# Altium PCB nRF52840-kit.PcbDoc (part 5 of 5)
Units mm, origin at the board's own origin, x right, y up, seen from the top; angles counter-clockwise.
Board outline 48 x 29.82 mm, 4 copper layers (Top Layer, Mid-Layer 1, Mid-Layer 2, Bottom Layer), stack 1.505 mm thick; 383 components, 85 nets, 1399 pads, 1434 vias.
Unrouted connection lines stored in the file: 8.
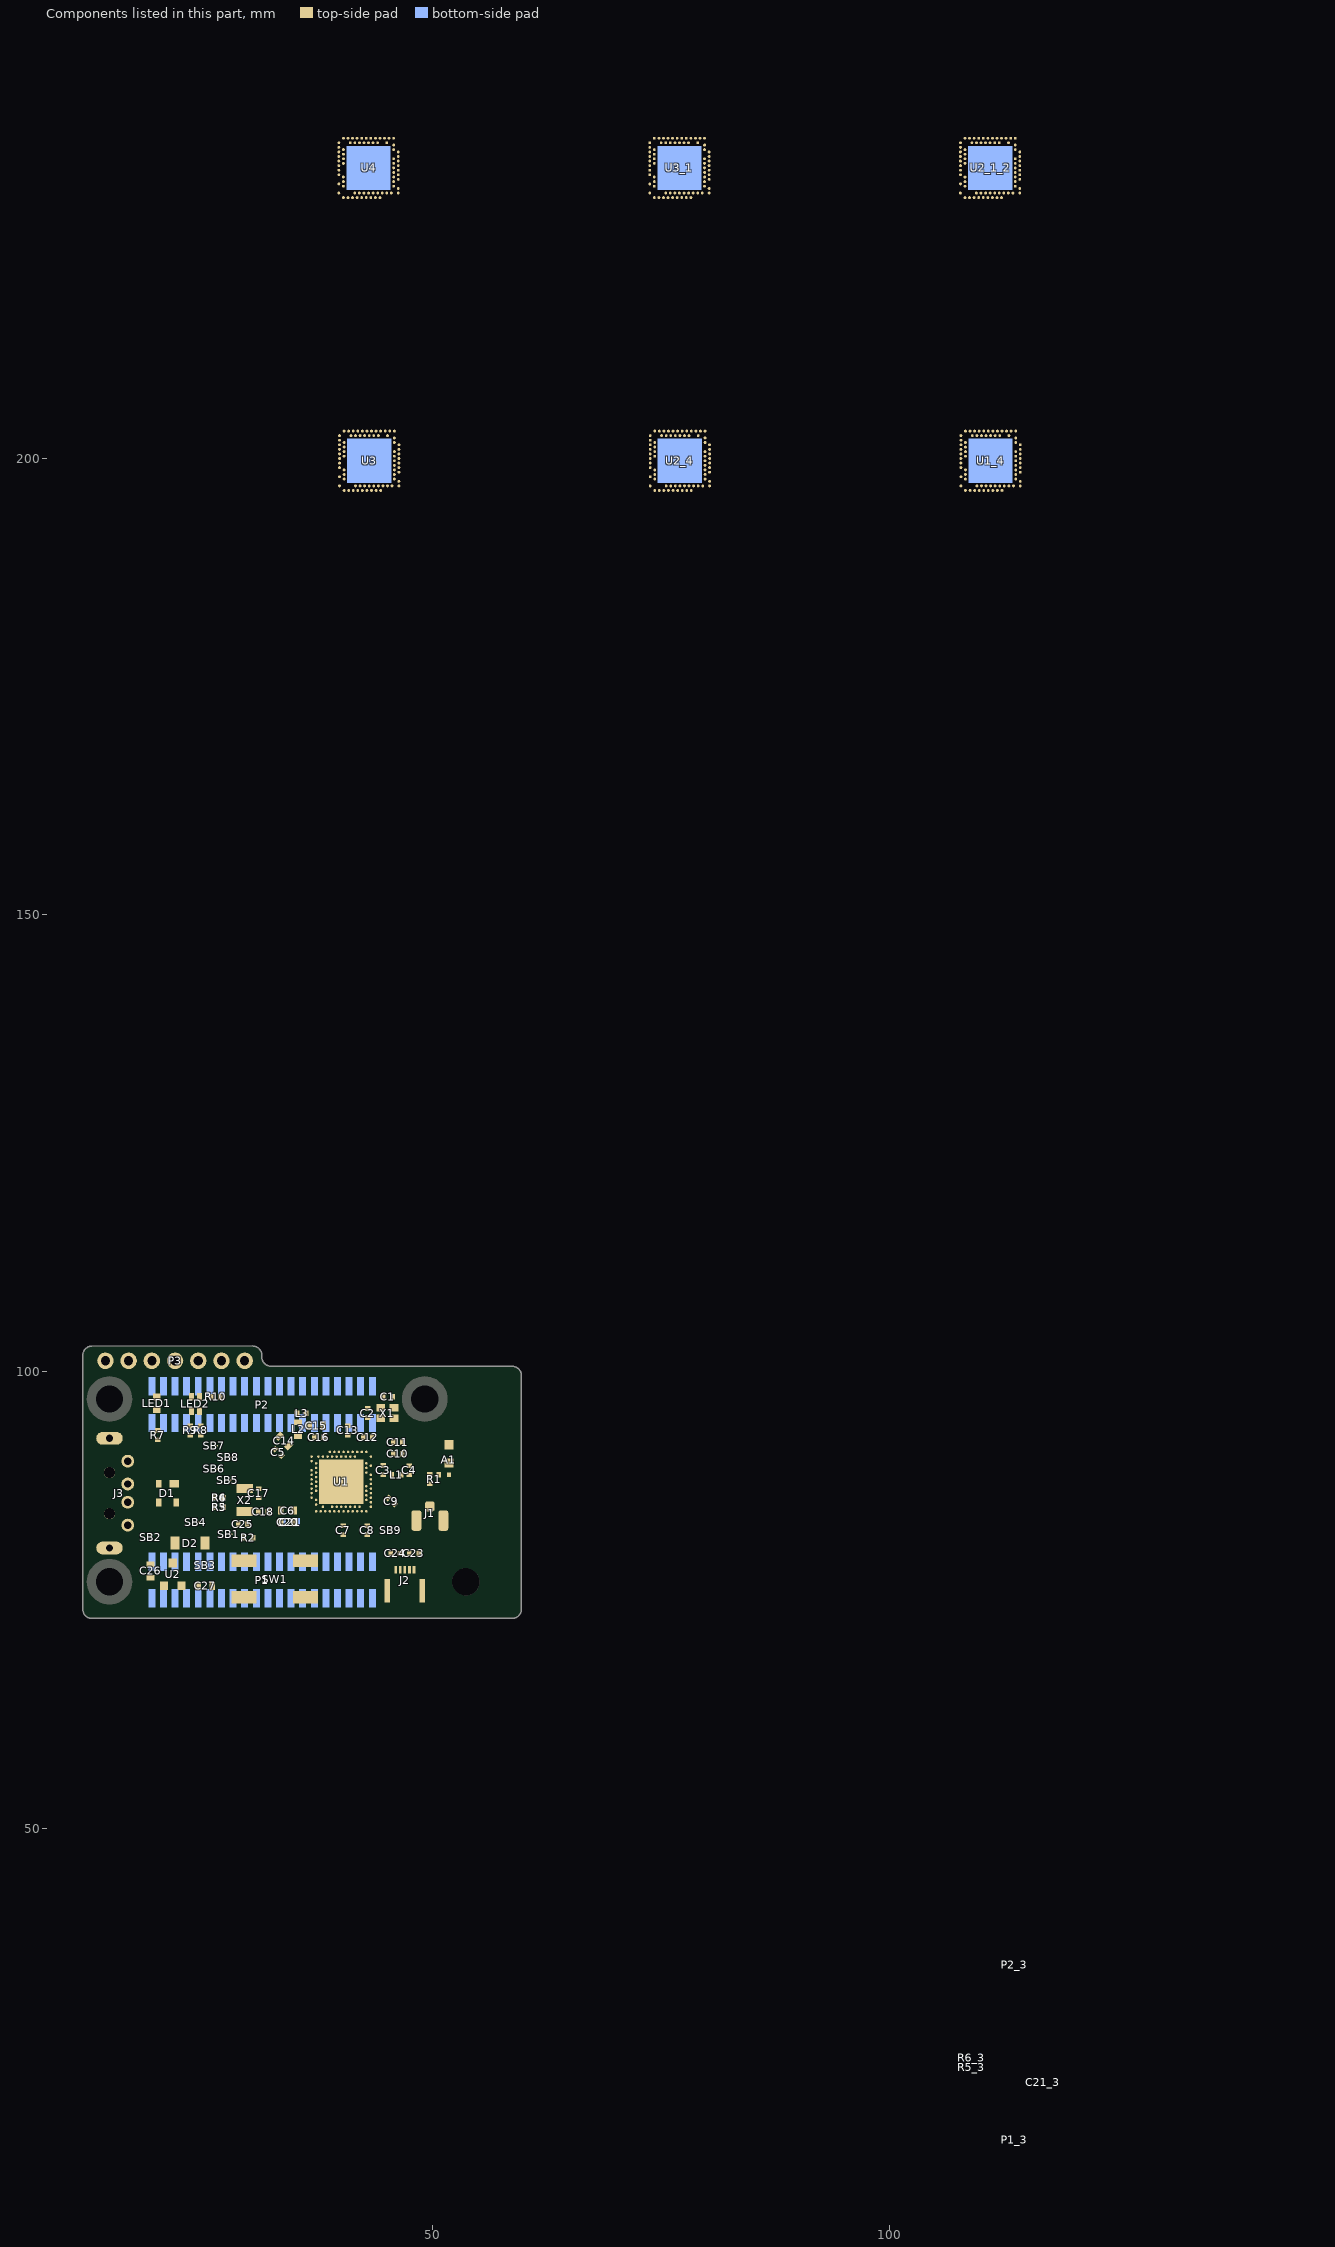
[diagram p7: the components of this part, seen from the top]

## Other copper
Top Layer:
  rectangle: 41.915,151.276 42.315,151.676
  rectangle: 41.415,151.276 41.815,151.676
  rectangle: 40.915,151.276 41.315,151.676
  rectangle: 40.415,151.276 40.815,151.676
  rectangle: 39.915,151.276 40.315,151.676
  rectangle: 39.415,151.276 39.815,151.676
  rectangle: 43.165,148.026 43.565,148.426
  rectangle: 43.165,147.526 43.565,147.926
  rectangle: 43.166,147.026 43.566,147.426
  rectangle: 42.415,145.776 42.815,146.176
  rectangle: 41.915,145.776 42.315,146.176
  rectangle: 41.415,145.776 41.815,146.176
  rectangle: 40.915,145.776 41.315,146.176
  rectangle: 40.415,145.776 40.815,146.176
  rectangle: 39.915,145.776 40.315,146.176
  rectangle: 39.415,145.776 39.815,146.176
  rectangle: 37.665,147.526 38.065,147.926
  rectangle: 37.665,148.026 38.065,148.426
  rectangle: 37.665,148.526 38.065,148.926
  rectangle: 37.665,149.026 38.065,149.426
  rectangle: 37.665,149.526 38.065,149.926
  rectangle: 20.397,143.155 21.794,144.552
  rectangle: 19.508,138.964 21.54,140.996
  rectangle: 22.048,134.951 24.08,137.034
  rectangle: 123.112,151.19 123.512,151.59
  rectangle: 122.612,151.19 123.012,151.59
  rectangle: 122.112,151.19 122.512,151.59
  rectangle: 121.612,151.19 122.012,151.59
  rectangle: 121.112,151.19 121.512,151.59
  rectangle: 120.612,151.19 121.012,151.59
  rectangle: 124.362,147.94 124.762,148.34
  rectangle: 124.362,147.44 124.762,147.84
  rectangle: 124.363,146.94 124.763,147.34
  rectangle: 123.612,145.69 124.012,146.09
  rectangle: 123.112,145.69 123.512,146.09
  rectangle: 122.612,145.69 123.012,146.09
  rectangle: 122.112,145.69 122.512,146.09
  rectangle: 121.612,145.69 122.012,146.09
  rectangle: 121.112,145.69 121.512,146.09
  rectangle: 120.612,145.69 121.012,146.09
  rectangle: 118.862,147.44 119.262,147.84
  rectangle: 118.862,147.94 119.262,148.34
  rectangle: 118.862,148.44 119.262,148.84
  rectangle: 118.862,148.94 119.262,149.34
  rectangle: 118.862,149.44 119.262,149.84
  rectangle: 101.594,143.069 102.991,144.466
  rectangle: 100.705,138.878 102.737,140.91
  rectangle: 103.245,134.865 105.277,136.948
  rectangle net 3V3: 21.394,74.203 23.426,76.286
  rectangle net V5V: 18.854,78.216 20.886,80.248
  rectangle net VDD_nRF: 19.743,82.407 21.14,83.804
  rectangle net P0.27: 37.011,88.778 37.411,89.178
  rectangle net P0.05/AIN3: 37.011,88.278 37.411,88.678
  rectangle net P0.07: 37.011,87.778 37.411,88.178
  rectangle net P1.08: 37.011,87.278 37.411,87.678
  rectangle net P0.11: 37.011,86.778 37.411,87.178
  rectangle net P0.14: 38.761,85.028 39.161,85.428
  rectangle net P0.16: 39.261,85.028 39.661,85.428
  rectangle net P0.18/RST: 39.761,85.028 40.161,85.428
  rectangle net P0.19: 40.261,85.028 40.661,85.428
  rectangle net P0.21: 40.761,85.028 41.161,85.428
  rectangle net P0.23: 41.261,85.028 41.661,85.428
  rectangle net P0.25: 41.761,85.028 42.161,85.428
  rectangle net P1.03: 42.512,86.278 42.912,86.678
  rectangle net P1.05: 42.511,86.778 42.911,87.178
  rectangle net P1.07: 42.511,87.278 42.911,87.678
  rectangle net P0.30/AIN6: 38.761,90.528 39.161,90.928
  rectangle net P0.28/AIN4: 39.261,90.528 39.661,90.928
  rectangle net P0.03/AIN1: 39.761,90.528 40.161,90.928
  rectangle net P1.14: 40.261,90.528 40.661,90.928
  rectangle net P1.12: 40.761,90.528 41.161,90.928
  rectangle net P1.11: 41.261,90.528 41.661,90.928
  rectangle: 103.67,74.29 105.702,76.373
  rectangle: 101.13,78.303 103.162,80.335
  rectangle: 102.019,82.494 103.416,83.891
  rectangle: 119.287,88.865 119.687,89.265
  rectangle: 119.287,88.365 119.687,88.765
  rectangle: 119.287,87.865 119.687,88.265
  rectangle: 119.287,87.365 119.687,87.765
  rectangle: 119.287,86.865 119.687,87.265
  rectangle: 121.037,85.115 121.437,85.515
  rectangle: 121.537,85.115 121.937,85.515
  rectangle: 122.037,85.115 122.437,85.515
  rectangle: 122.537,85.115 122.937,85.515
  rectangle: 123.037,85.115 123.437,85.515
  rectangle: 123.537,85.115 123.937,85.515
  rectangle: 124.037,85.115 124.437,85.515
  rectangle: 124.788,86.365 125.188,86.765
  rectangle: 124.787,86.865 125.187,87.265
  rectangle: 124.787,87.365 125.187,87.765
  rectangle: 121.037,90.615 121.437,91.015
  rectangle: 121.537,90.615 121.937,91.015
  rectangle: 122.037,90.615 122.437,91.015
  rectangle: 122.537,90.615 122.937,91.015
  rectangle: 123.037,90.615 123.437,91.015
  rectangle: 123.537,90.615 123.937,91.015
  rectangle: 21.373,13.151 23.405,15.234
  rectangle: 18.833,17.164 20.865,19.196
  rectangle: 19.722,21.355 21.119,22.752
  rectangle: 36.99,27.726 37.39,28.126
  rectangle: 36.99,27.226 37.39,27.626
  rectangle: 36.99,26.726 37.39,27.126
  rectangle: 36.99,26.226 37.39,26.626
  rectangle: 36.99,25.726 37.39,26.126
  rectangle: 38.74,23.976 39.14,24.376
  rectangle: 39.24,23.976 39.64,24.376
  rectangle: 39.74,23.976 40.14,24.376
  rectangle: 40.24,23.976 40.64,24.376
  rectangle: 40.74,23.976 41.14,24.376
  rectangle: 41.24,23.976 41.64,24.376
  rectangle: 41.74,23.976 42.14,24.376
  rectangle: 42.491,25.226 42.891,25.626
  rectangle: 42.49,25.726 42.89,26.126
  rectangle: 42.49,26.226 42.89,26.626
  rectangle: 38.74,29.476 39.14,29.876
  rectangle: 39.24,29.476 39.64,29.876
  rectangle: 39.74,29.476 40.14,29.876
  rectangle: 40.24,29.476 40.64,29.876
  rectangle: 40.74,29.476 41.14,29.876
  rectangle: 41.24,29.476 41.64,29.876
  rectangle: 103.708,12.926 105.74,15.009
  rectangle: 101.168,16.939 103.2,18.971
  rectangle: 102.057,21.13 103.454,22.527
  rectangle: 119.325,27.501 119.725,27.901
  rectangle: 119.325,27.001 119.725,27.401
  rectangle: 119.325,26.501 119.725,26.901
  rectangle: 119.325,26.001 119.725,26.401
  rectangle: 119.325,25.501 119.725,25.901
  rectangle: 121.075,23.751 121.475,24.151
  rectangle: 121.575,23.751 121.975,24.151
  rectangle: 122.075,23.751 122.475,24.151
  rectangle: 122.575,23.751 122.975,24.151
  rectangle: 123.075,23.751 123.475,24.151
  rectangle: 123.575,23.751 123.975,24.151
  rectangle: 124.075,23.751 124.475,24.151
  rectangle: 124.826,25.001 125.226,25.401
  rectangle: 124.825,25.501 125.225,25.901
  rectangle: 124.825,26.001 125.225,26.401
  rectangle: 121.075,29.251 121.475,29.651
  rectangle: 121.575,29.251 121.975,29.651
  rectangle: 122.075,29.251 122.475,29.651
  rectangle: 122.575,29.251 122.975,29.651
  rectangle: 123.075,29.251 123.475,29.651
  rectangle: 123.575,29.251 123.975,29.651
  pour cut-out: 50.311,150.032 52.573,150.032 52.573,148.944 50.312,148.944
  pour cut-out: 29.125,140.895 27.996,140.895 27.996,139.828 29.125,139.828
  pour cut-out: 31.586,144.992 31.586,145.322 32.297,145.322 32.297,144.992
  pour cut-out: 41.06,143.773 41.06,143.138 41.518,143.138 41.518,143.773
  pour cut-out: 41.225,154.212 42.826,154.212 42.826,153.701 42.69,153.566 41.313,153.566 41.225,153.653
  pour cut-out: 37.922,154.001 38.285,154.364 39.003,154.364
  pour cut-out: 33.632,152.011 35.761,154.14 36.44,154.14 36.69,154.39 36.692,152.515
  pour cut-out: 33.104,152.123 34.147,151.079 33.582,150.514 32.539,151.558
  pour cut-out: 46.229,157.743 46.233,157.739 46.233,157.443 45.379,157.443 45.379,157.743
  pour cut-out: 52.394,163.763 62.394,163.763 62.394,132.763 52.394,132.763
  pour cut-out: 46.731,148.496 46.731,150.996 42.731,150.996 42.731,148.496
  region: 51.761,149.869 52.394,149.717 52.394,149.259 51.761,149.107
  pour cut-out: 45.607,142.833 46.471,142.833 46.715,143.077 46.715,143.823 45.353,143.823 45.353,143.087
  pour cut-out: 131.508,149.946 133.77,149.946 133.77,148.858 131.509,148.858
  pour cut-out: 110.322,140.809 109.193,140.809 109.193,139.742 110.322,139.742
  pour cut-out: 112.783,144.906 112.783,145.236 113.494,145.236 113.494,144.906
  pour cut-out: 122.257,143.687 122.257,143.052 122.715,143.052 122.715,143.687
  pour cut-out: 122.422,154.126 124.023,154.126 124.023,153.615 123.887,153.48 122.51,153.48 122.422,153.567
  pour cut-out: 119.119,153.915 119.482,154.278 120.2,154.278
  pour cut-out: 114.829,151.925 116.958,154.054 117.637,154.054 117.887,154.304 117.889,152.429
  pour cut-out: 114.301,152.037 115.344,150.993 114.779,150.428 113.736,151.472
  pour cut-out: 127.426,157.657 127.43,157.653 127.43,157.357 126.576,157.357 126.576,157.657
  pour cut-out: 133.591,163.677 143.591,163.677 143.591,132.677 133.591,132.677
  pour cut-out: 127.928,148.41 127.928,150.91 123.928,150.91 123.928,148.41
  region: 132.958,149.783 133.591,149.631 133.591,149.173 132.958,149.021
  pour cut-out: 126.804,142.747 127.668,142.747 127.912,142.991 127.912,143.737 126.55,143.737 126.55,143.001
  pour cut-out: 44.953,82.085 45.817,82.085 46.061,82.329 46.061,83.075 44.699,83.075 44.699,82.339
  region net ANT: 51.107,89.121 51.74,88.969 51.74,88.511 51.107,88.359
  pour cut-out: 46.077,87.748 46.077,90.248 42.077,90.248 42.077,87.748
  pour cut-out: 51.74,103.015 61.74,103.015 61.74,72.015 51.74,72.015
  pour cut-out: 45.575,96.995 45.579,96.991 45.579,96.695 44.725,96.695 44.725,96.995
  pour cut-out: 32.45,91.375 33.493,90.331 32.928,89.766 31.885,90.81
  pour cut-out: 32.978,91.263 35.107,93.392 35.786,93.392 36.036,93.642 36.038,91.767
  pour cut-out: 37.268,93.253 37.631,93.616 38.349,93.616
  pour cut-out: 40.571,93.464 42.172,93.464 42.172,92.953 42.036,92.818 40.659,92.818 40.571,92.905
  pour cut-out: 40.406,83.025 40.406,82.39 40.864,82.39 40.864,83.025
  pour cut-out: 30.932,84.244 30.932,84.574 31.643,84.574 31.643,84.244
  pour cut-out: 28.471,80.147 27.342,80.147 27.342,79.08 28.471,79.08
  pour cut-out: 49.657,89.284 51.919,89.284 51.919,88.196 49.658,88.196
  pour cut-out: 127.229,82.172 128.093,82.172 128.337,82.416 128.337,83.162 126.975,83.162 126.975,82.426
  region: 133.383,89.208 134.016,89.056 134.016,88.598 133.383,88.446
  pour cut-out: 128.353,87.835 128.353,90.335 124.353,90.335 124.353,87.835
  pour cut-out: 134.016,103.102 144.016,103.102 144.016,72.102 134.016,72.102
  pour cut-out: 127.851,97.082 127.855,97.078 127.855,96.782 127.001,96.782 127.001,97.082
  pour cut-out: 114.726,91.462 115.769,90.418 115.204,89.853 114.161,90.897
  pour cut-out: 115.254,91.35 117.383,93.479 118.062,93.479 118.312,93.729 118.314,91.854
  pour cut-out: 119.544,93.34 119.907,93.703 120.625,93.703
  pour cut-out: 122.847,93.551 124.448,93.551 124.448,93.04 124.312,92.905 122.935,92.905 122.847,92.992
  pour cut-out: 122.682,83.112 122.682,82.477 123.14,82.477 123.14,83.112
  pour cut-out: 113.208,84.331 113.208,84.661 113.919,84.661 113.919,84.331
  pour cut-out: 110.747,80.234 109.618,80.234 109.618,79.167 110.747,79.167
  pour cut-out: 131.933,89.371 134.195,89.371 134.195,88.283 131.934,88.283
  pour cut-out: 44.932,21.033 45.796,21.033 46.04,21.277 46.04,22.023 44.678,22.023 44.678,21.287
  region: 51.086,28.069 51.719,27.917 51.719,27.459 51.086,27.307
  pour cut-out: 46.056,26.696 46.056,29.196 42.056,29.196 42.056,26.696
  pour cut-out: 51.719,41.963 61.719,41.963 61.719,10.963 51.719,10.963
  pour cut-out: 45.554,35.943 45.558,35.939 45.558,35.643 44.704,35.643 44.704,35.943
  pour cut-out: 32.429,30.323 33.472,29.279 32.907,28.714 31.864,29.758
  pour cut-out: 32.957,30.211 35.086,32.34 35.765,32.34 36.015,32.59 36.017,30.715
  pour cut-out: 37.247,32.201 37.61,32.564 38.328,32.564
  pour cut-out: 40.55,32.412 42.151,32.412 42.151,31.901 42.015,31.766 40.638,31.766 40.55,31.853
  pour cut-out: 40.385,21.973 40.385,21.338 40.843,21.338 40.843,21.973
  pour cut-out: 30.911,23.192 30.911,23.522 31.622,23.522 31.622,23.192
  pour cut-out: 28.45,19.095 27.321,19.095 27.321,18.028 28.45,18.028
  pour cut-out: 49.636,28.232 51.898,28.232 51.898,27.144 49.637,27.144
  pour cut-out: 127.267,20.808 128.131,20.808 128.375,21.052 128.375,21.798 127.013,21.798 127.013,21.062
  region: 133.421,27.844 134.054,27.692 134.054,27.234 133.421,27.082
  pour cut-out: 128.391,26.471 128.391,28.971 124.391,28.971 124.391,26.471
  pour cut-out: 134.054,41.738 144.054,41.738 144.054,10.738 134.054,10.738
  pour cut-out: 127.889,35.718 127.893,35.714 127.893,35.418 127.039,35.418 127.039,35.718
  pour cut-out: 114.764,30.098 115.807,29.054 115.242,28.489 114.199,29.533
  pour cut-out: 115.292,29.986 117.421,32.115 118.1,32.115 118.35,32.365 118.352,30.49
  pour cut-out: 119.582,31.976 119.945,32.339 120.663,32.339
  pour cut-out: 122.885,32.187 124.486,32.187 124.486,31.676 124.35,31.541 122.973,31.541 122.885,31.628
  pour cut-out: 122.72,21.748 122.72,21.113 123.178,21.113 123.178,21.748
  pour cut-out: 113.246,22.967 113.246,23.297 113.957,23.297 113.957,22.967
  pour cut-out: 110.785,18.87 109.656,18.87 109.656,17.803 110.785,17.803
  pour cut-out: 131.971,28.007 134.233,28.007 134.233,26.919 131.972,26.919
Mid-Layer 1:
  rectangle: 39.415,151.276 39.815,151.676
  rectangle: 39.915,151.276 40.315,151.676
  rectangle: 40.415,151.276 40.815,151.676
  rectangle: 40.915,151.276 41.315,151.676
  rectangle: 41.415,151.276 41.815,151.676
  rectangle: 41.915,151.276 42.315,151.676
  rectangle: 43.165,148.026 43.565,148.426
  rectangle: 43.165,147.526 43.565,147.926
  rectangle: 43.166,147.026 43.566,147.426
  rectangle: 42.415,145.776 42.815,146.176
  rectangle: 41.915,145.776 42.315,146.176
  rectangle: 41.415,145.776 41.815,146.176
  rectangle: 40.915,145.776 41.315,146.176
  rectangle: 40.415,145.776 40.815,146.176
  rectangle: 39.915,145.776 40.315,146.176
  rectangle: 39.415,145.776 39.815,146.176
  rectangle: 37.665,147.526 38.065,147.926
  rectangle: 37.665,148.026 38.065,148.426
  rectangle: 37.665,148.526 38.065,148.926
  rectangle: 37.665,149.026 38.065,149.426
  rectangle: 37.665,149.526 38.065,149.926
  rectangle: 120.612,151.19 121.012,151.59
  rectangle: 121.112,151.19 121.512,151.59
  rectangle: 121.612,151.19 122.012,151.59
  rectangle: 122.112,151.19 122.512,151.59
  rectangle: 122.612,151.19 123.012,151.59
  rectangle: 123.112,151.19 123.512,151.59
  rectangle: 124.362,147.94 124.762,148.34
  rectangle: 124.362,147.44 124.762,147.84
  rectangle: 124.363,146.94 124.763,147.34
  rectangle: 123.612,145.69 124.012,146.09
  rectangle: 123.112,145.69 123.512,146.09
  rectangle: 122.612,145.69 123.012,146.09
  rectangle: 122.112,145.69 122.512,146.09
  rectangle: 121.612,145.69 122.012,146.09
  rectangle: 121.112,145.69 121.512,146.09
  rectangle: 120.612,145.69 121.012,146.09
  rectangle: 118.862,147.44 119.262,147.84
  rectangle: 118.862,147.94 119.262,148.34
  rectangle: 118.862,148.44 119.262,148.84
  rectangle: 118.862,148.94 119.262,149.34
  rectangle: 118.862,149.44 119.262,149.84
  rectangle net P0.27: 37.011,88.778 37.411,89.178
  rectangle net P0.05/AIN3: 37.011,88.278 37.411,88.678
  rectangle net P0.07: 37.011,87.778 37.411,88.178
  rectangle net P1.08: 37.011,87.278 37.411,87.678
  rectangle net P0.11: 37.011,86.778 37.411,87.178
  rectangle net P0.14: 38.761,85.028 39.161,85.428
  rectangle net P0.16: 39.261,85.028 39.661,85.428
  rectangle net P0.18/RST: 39.761,85.028 40.161,85.428
  rectangle net P0.19: 40.261,85.028 40.661,85.428
  rectangle net P0.21: 40.761,85.028 41.161,85.428
  rectangle net P0.23: 41.261,85.028 41.661,85.428
  rectangle net P0.25: 41.761,85.028 42.161,85.428
  rectangle net P1.03: 42.512,86.278 42.912,86.678
  rectangle net P1.05: 42.511,86.778 42.911,87.178
  rectangle net P1.07: 42.511,87.278 42.911,87.678
  rectangle net P1.11: 41.261,90.528 41.661,90.928
  rectangle net P1.12: 40.761,90.528 41.161,90.928
  rectangle net P1.14: 40.261,90.528 40.661,90.928
  rectangle net P0.03/AIN1: 39.761,90.528 40.161,90.928
  rectangle net P0.28/AIN4: 39.261,90.528 39.661,90.928
  rectangle net P0.30/AIN6: 38.761,90.528 39.161,90.928
  rectangle: 119.287,88.865 119.687,89.265
  rectangle: 119.287,88.365 119.687,88.765
  rectangle: 119.287,87.865 119.687,88.265
  rectangle: 119.287,87.365 119.687,87.765
  rectangle: 119.287,86.865 119.687,87.265
  rectangle: 121.037,85.115 121.437,85.515
  rectangle: 121.537,85.115 121.937,85.515
  rectangle: 122.037,85.115 122.437,85.515
  rectangle: 122.537,85.115 122.937,85.515
  rectangle: 123.037,85.115 123.437,85.515
  rectangle: 123.537,85.115 123.937,85.515
  rectangle: 124.037,85.115 124.437,85.515
  rectangle: 124.788,86.365 125.188,86.765
  rectangle: 124.787,86.865 125.187,87.265
  rectangle: 124.787,87.365 125.187,87.765
  rectangle: 123.537,90.615 123.937,91.015
  rectangle: 123.037,90.615 123.437,91.015
  rectangle: 122.537,90.615 122.937,91.015
  rectangle: 122.037,90.615 122.437,91.015
  rectangle: 121.537,90.615 121.937,91.015
  rectangle: 121.037,90.615 121.437,91.015
  rectangle: 36.99,27.726 37.39,28.126
  rectangle: 36.99,27.226 37.39,27.626
  rectangle: 36.99,26.726 37.39,27.126
  rectangle: 36.99,26.226 37.39,26.626
  rectangle: 36.99,25.726 37.39,26.126
  rectangle: 38.74,23.976 39.14,24.376
  rectangle: 39.24,23.976 39.64,24.376
  rectangle: 39.74,23.976 40.14,24.376
  rectangle: 40.24,23.976 40.64,24.376
  rectangle: 40.74,23.976 41.14,24.376
  rectangle: 41.24,23.976 41.64,24.376
  rectangle: 41.74,23.976 42.14,24.376
  rectangle: 42.491,25.226 42.891,25.626
  rectangle: 42.49,25.726 42.89,26.126
  rectangle: 42.49,26.226 42.89,26.626
  rectangle: 41.24,29.476 41.64,29.876
  rectangle: 40.74,29.476 41.14,29.876
  rectangle: 40.24,29.476 40.64,29.876
  rectangle: 39.74,29.476 40.14,29.876
  rectangle: 39.24,29.476 39.64,29.876
  rectangle: 38.74,29.476 39.14,29.876
  rectangle: 119.325,27.501 119.725,27.901
  rectangle: 119.325,27.001 119.725,27.401
  rectangle: 119.325,26.501 119.725,26.901
  rectangle: 119.325,26.001 119.725,26.401
  rectangle: 119.325,25.501 119.725,25.901
  rectangle: 121.075,23.751 121.475,24.151
  rectangle: 121.575,23.751 121.975,24.151
  rectangle: 122.075,23.751 122.475,24.151
  rectangle: 122.575,23.751 122.975,24.151
  rectangle: 123.075,23.751 123.475,24.151
  rectangle: 123.575,23.751 123.975,24.151
  rectangle: 124.075,23.751 124.475,24.151
  rectangle: 124.826,25.001 125.226,25.401
  rectangle: 124.825,25.501 125.225,25.901
  rectangle: 124.825,26.001 125.225,26.401
  rectangle: 123.575,29.251 123.975,29.651
  rectangle: 123.075,29.251 123.475,29.651
  rectangle: 122.575,29.251 122.975,29.651
  rectangle: 122.075,29.251 122.475,29.651
  rectangle: 121.575,29.251 121.975,29.651
  rectangle: 121.075,29.251 121.475,29.651
  pour cut-out: 52.394,163.763 62.394,163.763 62.394,132.763 52.394,132.763
  pour cut-out: 45.231,145.855 54.231,145.855 54.231,153.145 45.231,153.145
  pour cut-out: 133.591,163.677 143.591,163.677 143.591,132.677 133.591,132.677
  pour cut-out: 126.428,145.769 135.428,145.769 135.428,153.059 126.428,153.059
  pour cut-out: 44.577,85.107 53.577,85.107 53.577,92.397 44.577,92.397
  pour cut-out: 51.74,103.015 61.74,103.015 61.74,72.015 51.74,72.015
  pour cut-out: 126.853,85.194 135.853,85.194 135.853,92.484 126.853,92.484
  pour cut-out: 134.016,103.102 144.016,103.102 144.016,72.102 134.016,72.102
  pour cut-out: 44.556,24.055 53.556,24.055 53.556,31.345 44.556,31.345
  pour cut-out: 51.719,41.963 61.719,41.963 61.719,10.963 51.719,10.963
  pour cut-out: 126.891,23.83 135.891,23.83 135.891,31.12 126.891,31.12
  pour cut-out: 134.054,41.738 144.054,41.738 144.054,10.738 134.054,10.738
Mid-Layer 2:
  rectangle: 39.415,151.276 39.815,151.676
  rectangle: 39.915,151.276 40.315,151.676
  rectangle: 40.415,151.276 40.815,151.676
  rectangle: 40.915,151.276 41.315,151.676
  rectangle: 41.415,151.276 41.815,151.676
  rectangle: 41.915,151.276 42.315,151.676
  rectangle: 43.165,148.026 43.565,148.426
  rectangle: 43.165,147.526 43.565,147.926
  rectangle: 43.166,147.026 43.566,147.426
  rectangle: 42.415,145.776 42.815,146.176
  rectangle: 41.915,145.776 42.315,146.176
  rectangle: 41.415,145.776 41.815,146.176
  rectangle: 40.915,145.776 41.315,146.176
  rectangle: 40.415,145.776 40.815,146.176
  rectangle: 39.915,145.776 40.315,146.176
  rectangle: 39.415,145.776 39.815,146.176
  rectangle: 37.665,147.526 38.065,147.926
  rectangle: 37.665,148.026 38.065,148.426
  rectangle: 37.665,148.526 38.065,148.926
  rectangle: 37.665,149.026 38.065,149.426
  rectangle: 37.665,149.526 38.065,149.926
  rectangle: 120.612,151.19 121.012,151.59
  rectangle: 121.112,151.19 121.512,151.59
  rectangle: 121.612,151.19 122.012,151.59
  rectangle: 122.112,151.19 122.512,151.59
  rectangle: 122.612,151.19 123.012,151.59
  rectangle: 123.112,151.19 123.512,151.59
  rectangle: 124.362,147.94 124.762,148.34
  rectangle: 124.362,147.44 124.762,147.84
  rectangle: 124.363,146.94 124.763,147.34
  rectangle: 123.612,145.69 124.012,146.09
  rectangle: 123.112,145.69 123.512,146.09
  rectangle: 122.612,145.69 123.012,146.09
  rectangle: 122.112,145.69 122.512,146.09
  rectangle: 121.612,145.69 122.012,146.09
  rectangle: 121.112,145.69 121.512,146.09
  rectangle: 120.612,145.69 121.012,146.09
  rectangle: 118.862,147.44 119.262,147.84
  rectangle: 118.862,147.94 119.262,148.34
  rectangle: 118.862,148.44 119.262,148.84
  rectangle: 118.862,148.94 119.262,149.34
  rectangle: 118.862,149.44 119.262,149.84
  rectangle net P0.27: 37.011,88.778 37.411,89.178
  rectangle net P0.05/AIN3: 37.011,88.278 37.411,88.678
  rectangle net P0.07: 37.011,87.778 37.411,88.178
  rectangle net P1.08: 37.011,87.278 37.411,87.678
  rectangle net P0.11: 37.011,86.778 37.411,87.178
  rectangle net P0.14: 38.761,85.028 39.161,85.428
  rectangle net P0.16: 39.261,85.028 39.661,85.428
  rectangle net P0.18/RST: 39.761,85.028 40.161,85.428
  rectangle net P0.19: 40.261,85.028 40.661,85.428
  rectangle net P0.21: 40.761,85.028 41.161,85.428
  rectangle net P0.23: 41.261,85.028 41.661,85.428
  rectangle net P0.25: 41.761,85.028 42.161,85.428
  rectangle net P1.03: 42.512,86.278 42.912,86.678
  rectangle net P1.05: 42.511,86.778 42.911,87.178
  rectangle net P1.07: 42.511,87.278 42.911,87.678
  rectangle net P1.11: 41.261,90.528 41.661,90.928
  rectangle net P1.12: 40.761,90.528 41.161,90.928
  rectangle net P1.14: 40.261,90.528 40.661,90.928
  rectangle net P0.03/AIN1: 39.761,90.528 40.161,90.928
  rectangle net P0.28/AIN4: 39.261,90.528 39.661,90.928
  rectangle net P0.30/AIN6: 38.761,90.528 39.161,90.928
  rectangle: 119.287,88.865 119.687,89.265
  rectangle: 119.287,88.365 119.687,88.765
  rectangle: 119.287,87.865 119.687,88.265
  rectangle: 119.287,87.365 119.687,87.765
  rectangle: 119.287,86.865 119.687,87.265
  rectangle: 121.037,85.115 121.437,85.515
  rectangle: 121.537,85.115 121.937,85.515
  rectangle: 122.037,85.115 122.437,85.515
  rectangle: 122.537,85.115 122.937,85.515
  rectangle: 123.037,85.115 123.437,85.515
  rectangle: 123.537,85.115 123.937,85.515
  rectangle: 124.037,85.115 124.437,85.515
  rectangle: 124.788,86.365 125.188,86.765
  rectangle: 124.787,86.865 125.187,87.265
  rectangle: 124.787,87.365 125.187,87.765
  rectangle: 123.537,90.615 123.937,91.015
  rectangle: 123.037,90.615 123.437,91.015
  rectangle: 122.537,90.615 122.937,91.015
  rectangle: 122.037,90.615 122.437,91.015
  rectangle: 121.537,90.615 121.937,91.015
  rectangle: 121.037,90.615 121.437,91.015
  rectangle: 36.99,27.726 37.39,28.126
  rectangle: 36.99,27.226 37.39,27.626
  rectangle: 36.99,26.726 37.39,27.126
  rectangle: 36.99,26.226 37.39,26.626
  rectangle: 36.99,25.726 37.39,26.126
  rectangle: 38.74,23.976 39.14,24.376
  rectangle: 39.24,23.976 39.64,24.376
  rectangle: 39.74,23.976 40.14,24.376
  rectangle: 40.24,23.976 40.64,24.376
  rectangle: 40.74,23.976 41.14,24.376
  rectangle: 41.24,23.976 41.64,24.376
  rectangle: 41.74,23.976 42.14,24.376
  rectangle: 42.491,25.226 42.891,25.626
  rectangle: 42.49,25.726 42.89,26.126
  rectangle: 42.49,26.226 42.89,26.626
  rectangle: 41.24,29.476 41.64,29.876
  rectangle: 40.74,29.476 41.14,29.876
  rectangle: 40.24,29.476 40.64,29.876
  rectangle: 39.74,29.476 40.14,29.876
  rectangle: 39.24,29.476 39.64,29.876
  rectangle: 38.74,29.476 39.14,29.876
  rectangle: 119.325,27.501 119.725,27.901
  rectangle: 119.325,27.001 119.725,27.401
  rectangle: 119.325,26.501 119.725,26.901
  rectangle: 119.325,26.001 119.725,26.401
  rectangle: 119.325,25.501 119.725,25.901
  rectangle: 121.075,23.751 121.475,24.151
  rectangle: 121.575,23.751 121.975,24.151
  rectangle: 122.075,23.751 122.475,24.151
  rectangle: 122.575,23.751 122.975,24.151
  rectangle: 123.075,23.751 123.475,24.151
  rectangle: 123.575,23.751 123.975,24.151
  rectangle: 124.075,23.751 124.475,24.151
  rectangle: 124.826,25.001 125.226,25.401
  rectangle: 124.825,25.501 125.225,25.901
  rectangle: 124.825,26.001 125.225,26.401
  rectangle: 123.575,29.251 123.975,29.651
  rectangle: 123.075,29.251 123.475,29.651
  rectangle: 122.575,29.251 122.975,29.651
  rectangle: 122.075,29.251 122.475,29.651
  rectangle: 121.575,29.251 121.975,29.651
  rectangle: 121.075,29.251 121.475,29.651
  pour cut-out: 52.394,163.763 62.394,163.763 62.394,132.763 52.394,132.763
  pour cut-out: 45.231,145.855 54.231,145.855 54.231,153.145 45.231,153.145
  pour cut-out: 133.591,163.677 143.591,163.677 143.591,132.677 133.591,132.677
  pour cut-out: 126.428,145.769 135.428,145.769 135.428,153.059 126.428,153.059
  pour cut-out: 44.577,85.107 53.577,85.107 53.577,92.397 44.577,92.397
  pour cut-out: 51.74,103.015 61.74,103.015 61.74,72.015 51.74,72.015
  pour cut-out: 126.853,85.194 135.853,85.194 135.853,92.484 126.853,92.484
  pour cut-out: 134.016,103.102 144.016,103.102 144.016,72.102 134.016,72.102
  pour cut-out: 44.556,24.055 53.556,24.055 53.556,31.345 44.556,31.345
  pour cut-out: 51.719,41.963 61.719,41.963 61.719,10.963 51.719,10.963
  pour cut-out: 126.891,23.83 135.891,23.83 135.891,31.12 126.891,31.12
  pour cut-out: 134.054,41.738 144.054,41.738 144.054,10.738 134.054,10.738
Bottom Layer:
  rectangle: 39.415,151.276 39.815,151.676
  rectangle: 39.915,151.276 40.315,151.676
  rectangle: 40.415,151.276 40.815,151.676
  rectangle: 40.915,151.276 41.315,151.676
  rectangle: 41.415,151.276 41.815,151.676
  rectangle: 41.915,151.276 42.315,151.676
  rectangle: 43.165,148.026 43.565,148.426
  rectangle: 43.165,147.526 43.565,147.926
  rectangle: 43.166,147.026 43.566,147.426
  rectangle: 42.415,145.776 42.815,146.176
  rectangle: 41.915,145.776 42.315,146.176
  rectangle: 41.415,145.776 41.815,146.176
  rectangle: 40.915,145.776 41.315,146.176
  rectangle: 40.415,145.776 40.815,146.176
  rectangle: 39.915,145.776 40.315,146.176
  rectangle: 39.415,145.776 39.815,146.176
  rectangle: 37.665,147.526 38.065,147.926
  rectangle: 37.665,148.026 38.065,148.426
  rectangle: 37.665,148.526 38.065,148.926
  rectangle: 37.665,149.026 38.065,149.426
  rectangle: 37.665,149.526 38.065,149.926
  rectangle: 18.404,158.809 18.912,160.714
  rectangle: 120.612,151.19 121.012,151.59
  rectangle: 121.112,151.19 121.512,151.59
  rectangle: 121.612,151.19 122.012,151.59
  rectangle: 122.112,151.19 122.512,151.59
  rectangle: 122.612,151.19 123.012,151.59
  rectangle: 123.112,151.19 123.512,151.59
  rectangle: 124.362,147.94 124.762,148.34
  rectangle: 124.362,147.44 124.762,147.84
  rectangle: 124.363,146.94 124.763,147.34
  rectangle: 123.612,145.69 124.012,146.09
  rectangle: 123.112,145.69 123.512,146.09
  rectangle: 122.612,145.69 123.012,146.09
  rectangle: 122.112,145.69 122.512,146.09
  rectangle: 121.612,145.69 122.012,146.09
  rectangle: 121.112,145.69 121.512,146.09
  rectangle: 120.612,145.69 121.012,146.09
  rectangle: 118.862,147.44 119.262,147.84
  rectangle: 118.862,147.94 119.262,148.34
  rectangle: 118.862,148.44 119.262,148.84
  rectangle: 118.862,148.94 119.262,149.34
  rectangle: 118.862,149.44 119.262,149.84
  rectangle: 99.601,158.723 100.109,160.628
  rectangle net VDD_nRF: 17.75,98.061 18.258,99.966
  rectangle net P0.27: 37.011,88.778 37.411,89.178
  rectangle net P0.05/AIN3: 37.011,88.278 37.411,88.678
  rectangle net P0.07: 37.011,87.778 37.411,88.178
  rectangle net P1.08: 37.011,87.278 37.411,87.678
  rectangle net P0.11: 37.011,86.778 37.411,87.178
  rectangle net P0.14: 38.761,85.028 39.161,85.428
  rectangle net P0.16: 39.261,85.028 39.661,85.428
  rectangle net P0.18/RST: 39.761,85.028 40.161,85.428
  rectangle net P0.19: 40.261,85.028 40.661,85.428
  rectangle net P0.21: 40.761,85.028 41.161,85.428
  rectangle net P0.23: 41.261,85.028 41.661,85.428
  rectangle net P0.25: 41.761,85.028 42.161,85.428
  rectangle net P1.03: 42.512,86.278 42.912,86.678
  rectangle net P1.05: 42.511,86.778 42.911,87.178
  rectangle net P1.07: 42.511,87.278 42.911,87.678
  rectangle net P1.11: 41.261,90.528 41.661,90.928
  rectangle net P1.12: 40.761,90.528 41.161,90.928
  rectangle net P1.14: 40.261,90.528 40.661,90.928
  rectangle net P0.03/AIN1: 39.761,90.528 40.161,90.928
  rectangle net P0.28/AIN4: 39.261,90.528 39.661,90.928
  rectangle net P0.30/AIN6: 38.761,90.528 39.161,90.928
  rectangle: 100.026,98.148 100.534,100.053
  rectangle: 119.287,88.865 119.687,89.265
  rectangle: 119.287,88.365 119.687,88.765
  rectangle: 119.287,87.865 119.687,88.265
  rectangle: 119.287,87.365 119.687,87.765
  rectangle: 119.287,86.865 119.687,87.265
  rectangle: 121.037,85.115 121.437,85.515
  rectangle: 121.537,85.115 121.937,85.515
  rectangle: 122.037,85.115 122.437,85.515
  rectangle: 122.537,85.115 122.937,85.515
  rectangle: 123.037,85.115 123.437,85.515
  rectangle: 123.537,85.115 123.937,85.515
  rectangle: 124.037,85.115 124.437,85.515
  rectangle: 124.788,86.365 125.188,86.765
  rectangle: 124.787,86.865 125.187,87.265
  rectangle: 124.787,87.365 125.187,87.765
  rectangle: 123.537,90.615 123.937,91.015
  rectangle: 123.037,90.615 123.437,91.015
  rectangle: 122.537,90.615 122.937,91.015
  rectangle: 122.037,90.615 122.437,91.015
  rectangle: 121.537,90.615 121.937,91.015
  rectangle: 121.037,90.615 121.437,91.015
  rectangle: 17.729,37.009 18.237,38.914
  rectangle: 36.99,27.726 37.39,28.126
  rectangle: 36.99,27.226 37.39,27.626
  rectangle: 36.99,26.726 37.39,27.126
  rectangle: 36.99,26.226 37.39,26.626
  rectangle: 36.99,25.726 37.39,26.126
  rectangle: 38.74,23.976 39.14,24.376
  rectangle: 39.24,23.976 39.64,24.376
  rectangle: 39.74,23.976 40.14,24.376
  rectangle: 40.24,23.976 40.64,24.376
  rectangle: 40.74,23.976 41.14,24.376
  rectangle: 41.24,23.976 41.64,24.376
  rectangle: 41.74,23.976 42.14,24.376
  rectangle: 42.491,25.226 42.891,25.626
  rectangle: 42.49,25.726 42.89,26.126
  rectangle: 42.49,26.226 42.89,26.626
  rectangle: 41.24,29.476 41.64,29.876
  rectangle: 40.74,29.476 41.14,29.876
  rectangle: 40.24,29.476 40.64,29.876
  rectangle: 39.74,29.476 40.14,29.876
  rectangle: 39.24,29.476 39.64,29.876
  rectangle: 38.74,29.476 39.14,29.876
  rectangle: 100.064,36.784 100.572,38.689
  rectangle: 119.325,27.501 119.725,27.901
  rectangle: 119.325,27.001 119.725,27.401
  rectangle: 119.325,26.501 119.725,26.901
  rectangle: 119.325,26.001 119.725,26.401
  rectangle: 119.325,25.501 119.725,25.901
  rectangle: 121.075,23.751 121.475,24.151
  rectangle: 121.575,23.751 121.975,24.151
  rectangle: 122.075,23.751 122.475,24.151
  rectangle: 122.575,23.751 122.975,24.151
  rectangle: 123.075,23.751 123.475,24.151
  rectangle: 123.575,23.751 123.975,24.151
  rectangle: 124.075,23.751 124.475,24.151
  rectangle: 124.826,25.001 125.226,25.401
  rectangle: 124.825,25.501 125.225,25.901
  rectangle: 124.825,26.001 125.225,26.401
  rectangle: 123.575,29.251 123.975,29.651
  rectangle: 123.075,29.251 123.475,29.651
  rectangle: 122.575,29.251 122.975,29.651
  rectangle: 122.075,29.251 122.475,29.651
  rectangle: 121.575,29.251 121.975,29.651
  rectangle: 121.075,29.251 121.475,29.651
  pour cut-out: 52.394,163.763 62.394,163.763 62.394,132.763 52.394,132.763
  pour cut-out: 133.591,163.677 143.591,163.677 143.591,132.677 133.591,132.677
  pour cut-out: 51.74,103.015 61.74,103.015 61.74,72.015 51.74,72.015
  pour cut-out: 134.016,103.102 144.016,103.102 144.016,72.102 134.016,72.102
  pour cut-out: 51.719,41.963 61.719,41.963 61.719,10.963 51.719,10.963
  pour cut-out: 134.054,41.738 144.054,41.738 144.054,10.738 134.054,10.738

## Silkscreen, mask and mechanical layers (free items; w line width, h text height)
Top Overlay:
  circle w0.254: c26.661,163.12 r0.127
  circle w0.254: c24.121,163.12 r0.127
  circle w0.254: c107.858,163.034 r0.127
  circle w0.254: c105.318,163.034 r0.127
  circle w0.254: c23.467,102.372 r0.127
  circle w0.254: c26.007,102.372 r0.127
  circle w0.254: c105.743,102.459 r0.127
  circle w0.254: c108.283,102.459 r0.127
  circle w0.254: c23.446,41.32 r0.127
  circle w0.254: c25.986,41.32 r0.127
  circle w0.254: c105.781,41.095 r0.127
  circle w0.254: c108.321,41.095 r0.127
  text "nRF52840" at 56.762,159.768 h3.3 r270
  text "nRF52840" at 137.959,159.682 h3.3 r270
  text "Customized" at 54.728,158.929 h1.78 r270
  text "Customized" at 135.925,158.843 h1.78 r270
  text "Dongle" at 54.093,149.277 h3.05 r270
  text "Dongle" at 135.29,149.191 h3.05 r270
  text "MCU USBD" at 19.549,144.07 h0.97 r90
  text "MCU USBD" at 100.746,143.984 h0.97 r90
  text "BTN1" at 44.822,141.657 h0.97
  text "BTN1" at 126.019,141.571 h0.97
  text "RESET" at 37.202,137.72 h0.97
  text "RESET" at 118.399,137.634 h0.97
  text "NFC / ANT" at 41.774,134.418 h0.97
  text "NFC / ANT" at 122.971,134.332 h0.97
  text "nRF52840" at 138.384,99.107 h3.3 r270
  text "nRF52840" at 56.108,99.02 h3.3 r270
  text "Customized" at 136.35,98.268 h1.78 r270
  text "Customized" at 54.074,98.181 h1.78 r270
  text "Dongle" at 135.715,88.616 h3.05 r270
  text "Dongle" at 53.439,88.529 h3.05 r270
  text "MCU USBD" at 101.171,83.409 h0.97 r90
  text "MCU USBD" at 18.895,83.322 h0.97 r90
  text "BTN1" at 126.444,80.996 h0.97
  text "BTN1" at 44.168,80.909 h0.97
  text "RESET" at 118.824,77.059 h0.97
  text "RESET" at 36.548,76.972 h0.97
  text "NFC / ANT" at 123.396,73.757 h0.97
  text "NFC / ANT" at 41.12,73.67 h0.97
  text "nRF52840" at 56.087,37.968 h3.3 r270
  text "nRF52840" at 138.422,37.743 h3.3 r270
  text "Customized" at 54.053,37.129 h1.78 r270
  text "Customized" at 136.388,36.904 h1.78 r270
  text "Dongle" at 53.418,27.477 h3.05 r270
  text "Dongle" at 135.753,27.252 h3.05 r270
  text "MCU USBD" at 18.874,22.27 h0.97 r90
  text "MCU USBD" at 101.209,22.045 h0.97 r90
  text "BTN1" at 44.147,19.857 h0.97
  text "BTN1" at 126.482,19.632 h0.97
  text "RESET" at 36.527,15.92 h0.97
  text "RESET" at 118.862,15.695 h0.97
  text "NFC / ANT" at 41.099,12.618 h0.97
  text "NFC / ANT" at 123.434,12.393 h0.97
Bottom Overlay:
  drawing of 336 lines, arcs and shapes, not listed
  text "1" at 13.73,160.054 h0.81
  text "1" at 94.927,159.968 h0.81
  text "nRF52840" at 50.754,150.768 h3.81
  text "nRF52840" at 131.951,150.682 h3.81
  text "Customized" at 49.754,148.768 h1.78
  text "Customized" at 130.951,148.682 h1.78
  text "Dongle" at 42.254,145.768 h3.81
  text "5" at 54.342,145.747 h5.08 r270
  text "Dongle" at 123.451,145.682 h3.81
  text "5" at 135.539,145.661 h5.08 r270
  text "\"Easier for IoT development\"" at 39.13,141.512 h1.78
  text "\"Easier for IoT development\"" at 120.327,141.426 h1.78
  text "021218" at 17.754,134.268 h1.27
  text "021218" at 98.951,134.182 h1.27
  text "1" at 95.352,99.393 h0.81
  text "1" at 13.076,99.306 h0.81
  text "nRF52840" at 132.376,90.107 h3.81
  text "nRF52840" at 50.1,90.02 h3.81
  text "Customized" at 131.376,88.107 h1.78
  text "Customized" at 49.1,88.02 h1.78
  text "Dongle" at 123.876,85.107 h3.81
  text "5" at 135.964,85.086 h5.08 r270
  text "Dongle" at 41.6,85.02 h3.81
  text "5" at 53.688,84.999 h5.08 r270
  text "\"Easier for IoT development\"" at 120.752,80.851 h1.78
  text "\"Easier for IoT development\"" at 38.476,80.764 h1.78
  text "021218" at 99.376,73.607 h1.27
  text "021218" at 17.1,73.52 h1.27
  text "1" at 13.055,38.254 h0.81
  text "1" at 95.39,38.029 h0.81
  text "nRF52840" at 50.079,28.968 h3.81
  text "nRF52840" at 132.414,28.743 h3.81
  text "Customized" at 49.079,26.968 h1.78
  text "Customized" at 131.414,26.743 h1.78
  text "Dongle" at 41.579,23.968 h3.81
  text "5" at 53.667,23.947 h5.08 r270
  text "Dongle" at 123.914,23.743 h3.81
  text "5" at 136.002,23.722 h5.08 r270
  text "\"Easier for IoT development\"" at 38.455,19.712 h1.78
  text "\"Easier for IoT development\"" at 120.79,19.487 h1.78
  text "021218" at 17.079,12.468 h1.27
  text "021218" at 99.414,12.243 h1.27
Top Paste:
  lines w0.762: 0,13.75 0,0 17.5,0 ; 0,21.25 0,33.75 ; 0,41.25 0,55 17.5,55 ; 0.021,74.802 0.021,61.052 17.521,61.052 ; 0.021,82.302 0.021,94.802 ; 0.021,102.302 0.021,116.052 17.521,116.052 ; 0.675,135.55 0.675,121.8 18.175,121.8 ; 0.675,143.05 0.675,155.55 ; 0.675,163.05 0.675,176.8 18.175,176.8 ; 26.2,220 26.2,215 31.2,215 ; 26.2,226 26.2,236 ; 26.2,242 26.2,247 31.2,247 ; 26.275,187.95 26.275,182.95 31.275,182.95 ; 26.275,193.95 26.275,203.95 ; 26.275,209.95 26.275,214.95 31.275,214.95 ; 31.875,0 50.625,0 ; 31.875,55 50.625,55 ; 31.896,61.052 50.646,61.052 ; 31.896,116.052 50.646,116.052 ; 32.55,121.8 51.3,121.8 ; 32.55,176.8 51.3,176.8 ; 37.2,247 48.2,247 ; 37.275,214.95 48.275,214.95 ; 39.2,215 48.2,215 ; 39.275,182.95 48.275,182.95 ; 55.2,215 60.2,215 ; 55.2,247 60.2,247 ; 55.275,182.95 60.275,182.95 ; 55.275,214.95 60.275,214.95 ; 60.225,220 60.225,215 65.225,215 ; 60.225,226 60.225,236 ; 60.225,242 60.225,247 65.225,247 ; 62.5,0 75,0 75,13.75 ; 62.5,55 75,55 75,41.25 ; 62.521,61.052 75.021,61.052 75.021,74.802 ; 62.521,116.052 75.021,116.052 75.021,102.302 ; 63.175,121.8 75.675,121.8 75.675,135.55 ; 63.175,176.8 75.675,176.8 75.675,163.05 ; 65.275,182.95 60.275,182.95 ; 65.275,214.95 60.275,214.95 ; 71.225,247 82.225,247 ; 71.275,214.95 82.275,214.95 ; 73.225,215 82.225,215 ; 73.275,182.95 82.275,182.95 ; 75,21.25 75,33.75 ; 75.021,82.302 75.021,94.802 ; 75.675,143.05 75.675,155.55 ; 81.872,135.464 81.872,121.714 99.372,121.714 ; 81.872,142.964 81.872,155.464 ; 81.872,162.964 81.872,176.714 99.372,176.714 ; 82.297,74.889 82.297,61.139 99.797,61.139 ; 82.297,82.389 82.297,94.889 ; 82.297,102.389 82.297,116.139 99.797,116.139 ; 82.335,13.525 82.335,-0.225 99.835,-0.225 ; 82.335,21.025 82.335,33.525 ; 82.335,41.025 82.335,54.775 99.835,54.775 ; 89.225,215 94.225,215 ; 89.225,247 94.225,247 ; 89.275,182.95 94.275,182.95 ; 89.275,214.95 94.275,214.95 ; 99.225,215 94.225,215 ; 99.225,247 94.225,247 ; 99.275,182.95 94.275,182.95 ; 99.275,214.95 94.275,214.95 ; 105.225,247 116.225,247 ; 105.275,214.95 116.275,214.95 ; 107.225,215 116.225,215 ; 107.275,182.95 116.275,182.95 ; 113.747,121.714 132.497,121.714 ; 113.747,176.714 132.497,176.714 ; 114.172,61.139 132.922,61.139 ; 114.172,116.139 132.922,116.139 ; 114.21,-0.225 132.96,-0.225 ; 114.21,54.775 132.96,54.775 ; 123.225,215 128.225,215 ; 123.225,247 128.225,247 ; 123.275,182.95 128.275,182.95 128.275,187.95 ; 123.275,214.95 128.275,214.95 128.275,209.95 ; 128.275,193.95 128.275,203.95 ; 144.372,121.714 156.872,121.714 156.872,135.464 ; 144.372,176.714 156.872,176.714 156.872,162.964 ; 144.797,61.139 157.297,61.139 157.297,74.889 ; 144.797,116.139 157.297,116.139 157.297,102.389 ; 144.835,-0.225 157.335,-0.225 157.335,13.525 ; 144.835,54.775 157.335,54.775 157.335,41.025 ; 156.872,142.964 156.872,155.464 ; 157.297,82.389 157.297,94.889 ; 157.335,21.025 157.335,33.525 ; 60.2,215 60.2,220 60.2,215 ; 60.2,247 60.2,242 60.2,247 ; 60.275,182.95 60.275,187.95 60.275,182.95 ; 60.275,214.95 60.275,209.95 60.275,214.95 ; 94.225,215 94.225,220 94.225,215 ; 94.225,247 94.225,242 94.225,247 ; 94.275,182.95 94.275,187.95 94.275,182.95 ; 94.275,214.95 94.275,209.95 94.275,214.95 ; 128.225,215 128.225,220 128.225,215 ; 128.225,247 128.225,242 128.225,247 ; 60.2,226 60.2,236 60.2,226 ; 60.275,193.95 60.275,203.95 60.275,193.95 ; 94.225,226 94.225,236 94.225,226 ; 94.275,193.95 94.275,203.95 94.275,193.95 ; 128.225,226 128.225,236 128.225,226
Mechanical 1:
  lines w0.152: 6.6,99.6 58.6,99.6 ; 51.74,80.073 51.74,92.626

## Text inside footprints (layer, text, board x,y; h text height)
J3: Top Overlay "USB-A-DIP" at 12.5,90.92 h1.02 r270
J3_1: Top Overlay "USB-A-DIP" at 94.776,91.007 h1.02 r270
J3_2: Top Overlay "USB-A-DIP" at 12.479,29.868 h1.02 r270
J3_2_1: Top Overlay "USB-A-DIP" at 13.154,151.668 h1.02 r270
J3_3: Top Overlay "USB-A-DIP" at 94.814,29.643 h1.02 r270
P1: Bottom Overlay "40" at 44.381,75.401 h0.89 r180; Bottom Overlay "39" at 44.381,79.973 h0.89 r180; Bottom Overlay "2" at 17.457,75.401 h0.89 r180; Bottom Overlay "1" at 17.457,79.973 h0.89 r180
P1_1: Bottom Overlay "40" at 126.657,75.488 h0.89 r180; Bottom Overlay "39" at 126.657,80.06 h0.89 r180; Bottom Overlay "2" at 99.733,75.488 h0.89 r180; Bottom Overlay "1" at 99.733,80.06 h0.89 r180
P1_1_1: Bottom Overlay "40" at 126.232,136.063 h0.89 r180; Bottom Overlay "39" at 126.232,140.635 h0.89 r180; Bottom Overlay "2" at 99.308,136.063 h0.89 r180; Bottom Overlay "1" at 99.308,140.635 h0.89 r180
P1_2: Bottom Overlay "40" at 44.36,14.349 h0.89 r180; Bottom Overlay "39" at 44.36,18.921 h0.89 r180; Bottom Overlay "2" at 17.436,14.349 h0.89 r180; Bottom Overlay "1" at 17.436,18.921 h0.89 r180
P1_2_1: Bottom Overlay "40" at 45.035,136.149 h0.89 r180; Bottom Overlay "39" at 45.035,140.721 h0.89 r180; Bottom Overlay "2" at 18.111,136.149 h0.89 r180; Bottom Overlay "1" at 18.111,140.721 h0.89 r180
P1_3: Bottom Overlay "40" at 126.695,14.124 h0.89 r180; Bottom Overlay "39" at 126.695,18.696 h0.89 r180; Bottom Overlay "2" at 99.771,14.124 h0.89 r180; Bottom Overlay "1" at 99.771,18.696 h0.89 r180
P2: Bottom Overlay "40" at 44.381,94.599 h0.89 r180; Bottom Overlay "39" at 44.381,99.171 h0.89 r180; Bottom Overlay "2" at 17.457,94.599 h0.89 r180; Bottom Overlay "1" at 17.457,99.171 h0.89 r180
P2_1: Bottom Overlay "40" at 126.657,94.686 h0.89 r180; Bottom Overlay "39" at 126.657,99.258 h0.89 r180; Bottom Overlay "2" at 99.733,94.686 h0.89 r180; Bottom Overlay "1" at 99.733,99.258 h0.89 r180
P2_1_1: Bottom Overlay "40" at 126.232,155.261 h0.89 r180; Bottom Overlay "39" at 126.232,159.833 h0.89 r180; Bottom Overlay "2" at 99.308,155.261 h0.89 r180; Bottom Overlay "1" at 99.308,159.833 h0.89 r180
P2_2: Bottom Overlay "40" at 44.36,33.547 h0.89 r180; Bottom Overlay "39" at 44.36,38.119 h0.89 r180; Bottom Overlay "2" at 17.436,33.547 h0.89 r180; Bottom Overlay "1" at 17.436,38.119 h0.89 r180
P2_2_1: Bottom Overlay "40" at 45.035,155.347 h0.89 r180; Bottom Overlay "39" at 45.035,159.919 h0.89 r180; Bottom Overlay "2" at 18.111,155.347 h0.89 r180; Bottom Overlay "1" at 18.111,159.919 h0.89 r180
P2_3: Bottom Overlay "40" at 126.695,33.322 h0.89 r180; Bottom Overlay "39" at 126.695,37.894 h0.89 r180; Bottom Overlay "2" at 99.771,33.322 h0.89 r180; Bottom Overlay "1" at 99.771,37.894 h0.89 r180